# KiCad board mixed_signal_board.kicad_pcb
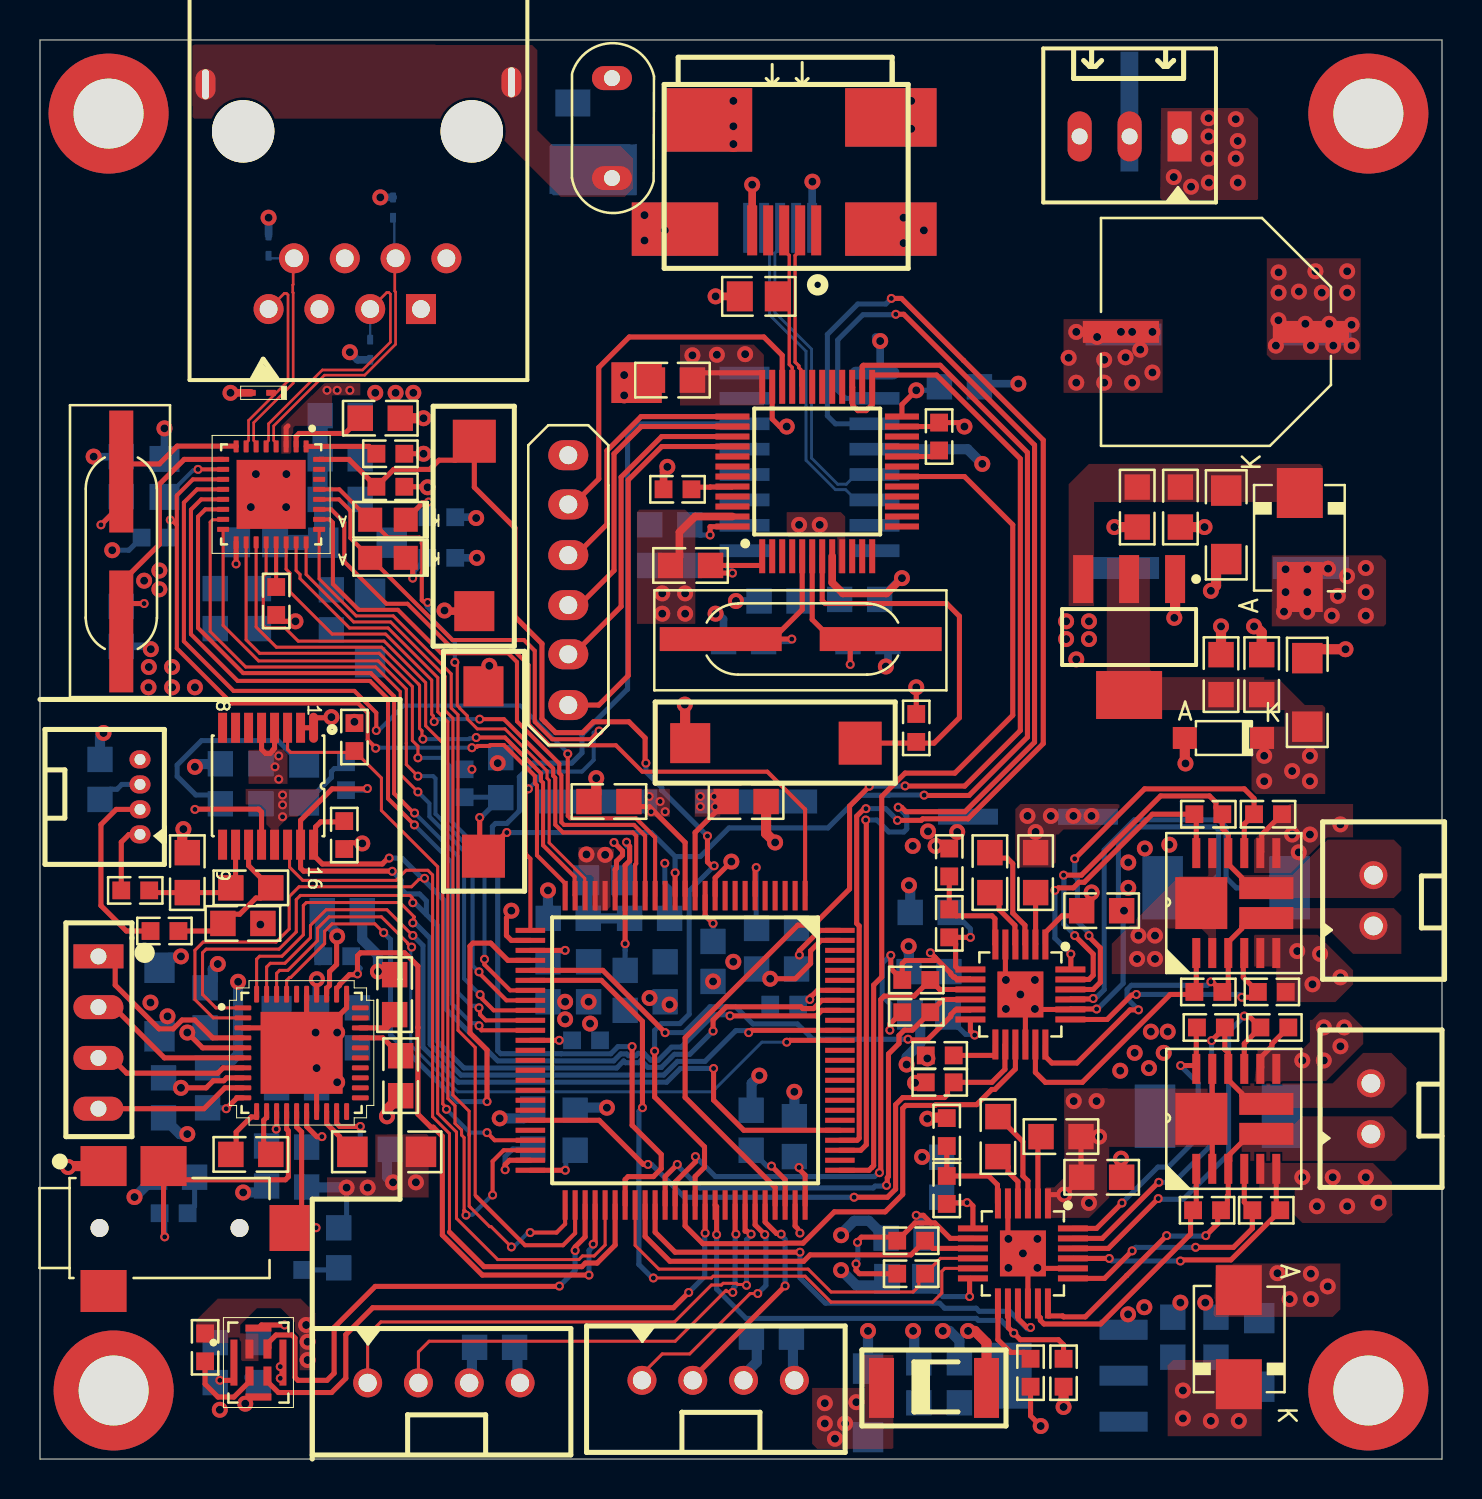
[diagram p0: board, top side]
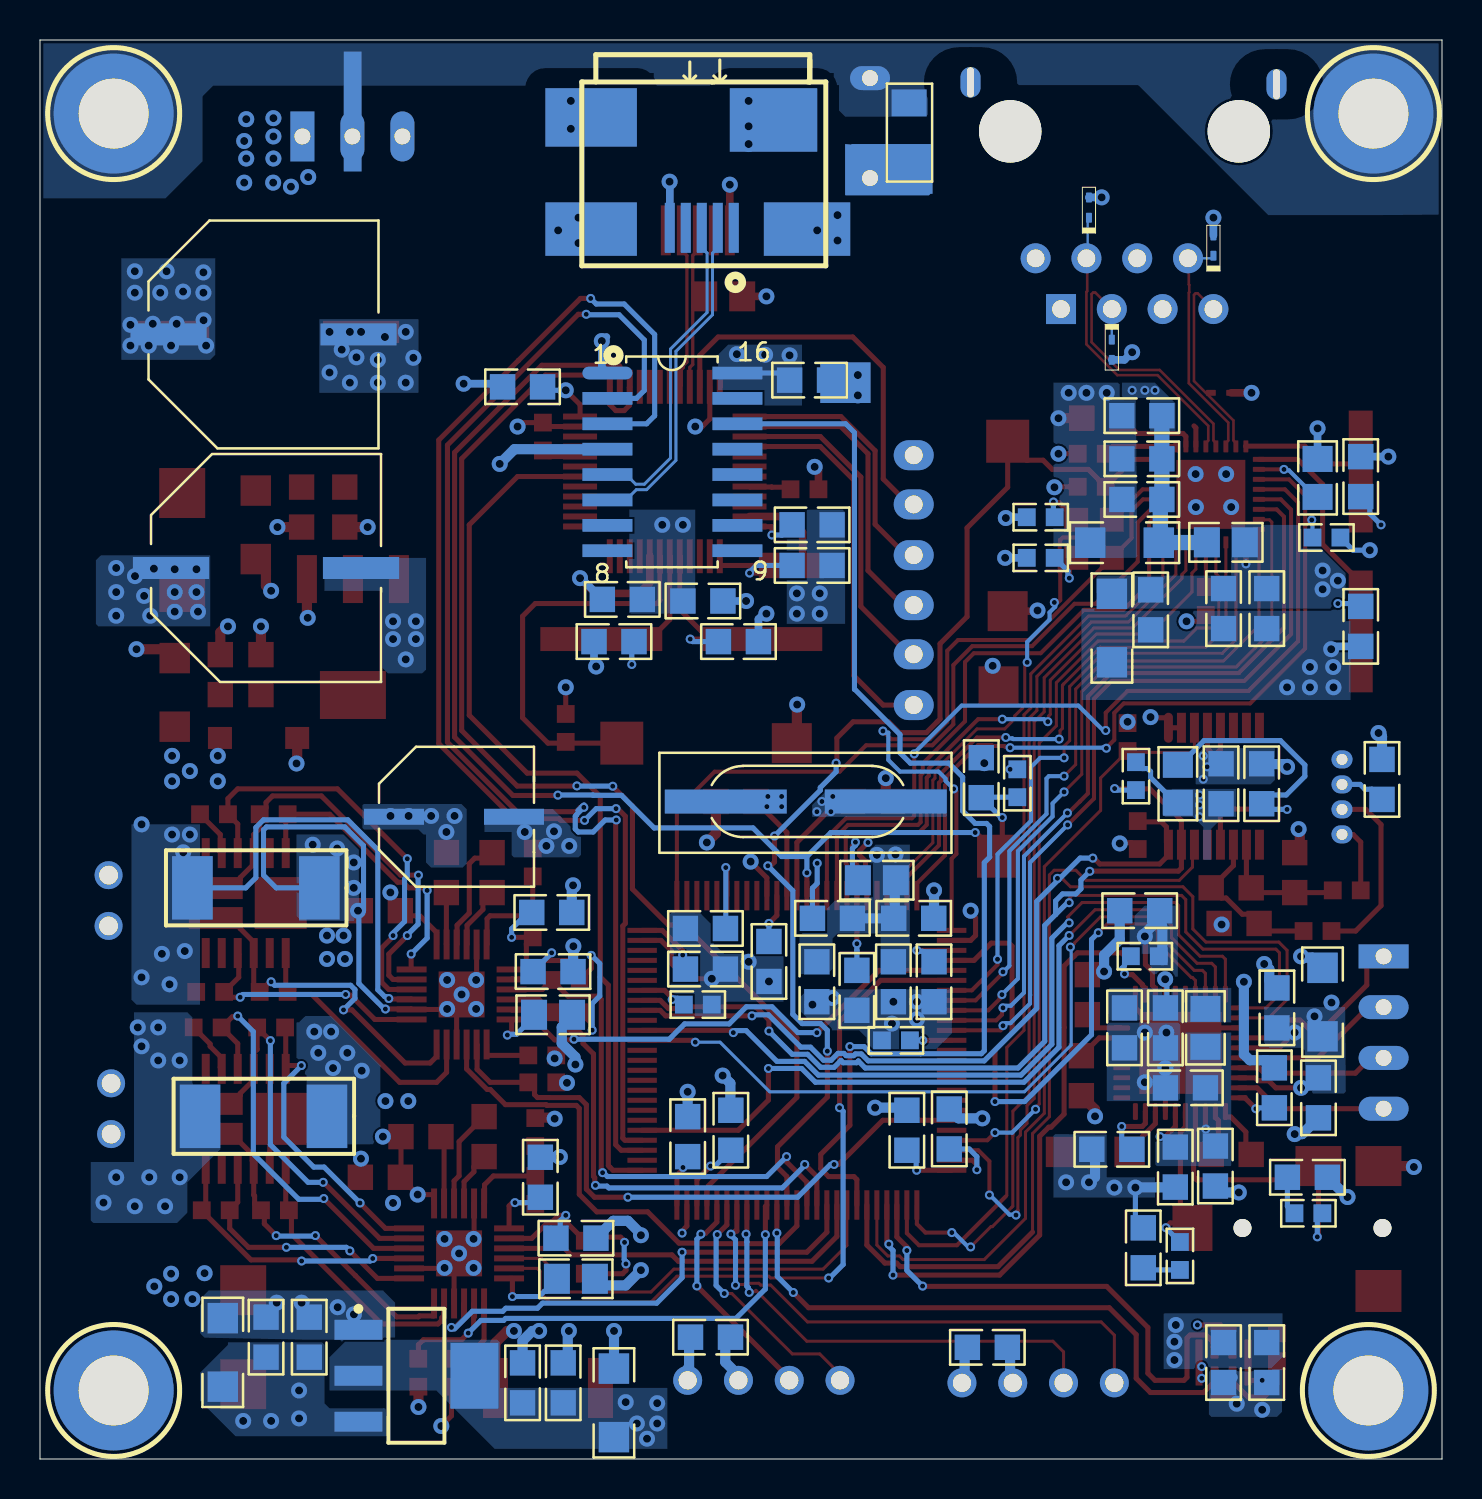
[diagram p1: board, bottom side, seen from below]

Outline 70.1 x 70.99 mm; copper layers: Top Layer, GND (plane), VCC (plane), Bottom Layer. Coordinates in mm from the lower left corner of the outline.
Outline path: 0,70.99 70.1,70.99 70.1,0 0,0 0,70.99

## Placement (name value [footprint] x y rotation side)
C1  4.7uF  [CAP_0805]  31.5 46.74 0 bottom
C2  0.1uF  [CAP_0805]  31.5 44.7 0 bottom
C3  0.1uF  [CAP_0805]  32.53 44.7 0 top
C4  0.1uF  [CAP_0805]  31.62 53.98 0 top
C5  30pF  [CAP_0805]  35.18 40.89 0 bottom
C6  30pF  [CAP_0805]  41.4 40.89 180 bottom
C7  1uF  [CAP_0805]  36.96 42.93 0 bottom
C8  10nF  [CAP_0805]  40.99 43.01 180 bottom
C9  0.1uF  [CAP_0805]  45.97 53.64 180 bottom
C10  2nF  [CAP_0805]  17.01 52.07 180 top
C11  10uF  [CAP_1206]  15.88 45.85 180 bottom
C12  1uF  [CAP_0805]  15.01 48.01 180 bottom
C13  0.1uF  [CAP_0805]  15.01 50.04 180 bottom
C14  10nF  [CAP_0805]  15.01 52.2 180 bottom
C15  20pF  [CAP_0805]  4.06 49.15 270 bottom
C16  10nF  [CAP_0805]  8.76 42.55 90 bottom
C17  0.1uF  [CAP_0805]  10.92 42.55 90 bottom
C18  1uF  [CAP_0805]  14.57 42.48 90 bottom
C19  10uF  [CAP_1206]  16.51 41.57 90 bottom
C20  20pF  [CAP_0805]  4.06 41.66 90 bottom
C21  10nF  [CAP_P196_102X287_H332_RAD_TH]  28.6 69.08 270 top
C22  0.1uF  [CAP_0805]  47.5 29.34 270 top
C23  1uF  [CAP_0805]  49.78 29.34 90 top
C24  100uF  [ACAP_P236_D305_H303_RAD]  49.4 32.13 180 bottom
C25  0.1uF  [CAP_0805]  53.09 27.43 180 top
C26  1uF  [CAP_0805]  44.51 27.34 0 bottom
C27  1uF  [CAP_0805]  44.45 24.38 0 bottom
C28  0.1uF  [CAP_0805]  31.62 53.98 0 bottom
C29  0.1uF  [CAP_0805]  11.05 33.78 270 bottom
C30  0.1uF  [CAP_0805]  9.02 33.78 270 bottom
C31  0.1uF  [CAP_0805]  3 34 270 bottom
C32  0.1uF  [CAP_0805]  10.54 28.58 0 top
C33  10nF  [CAP_0805]  7.37 29.34 270 top
C34  10nF  [CAP_0805]  10.15 26.79 180 top
C35  22nF  [CAP_0805]  14.94 10.57 90 bottom
C36  0.1uF  [CAP_0805]  12.83 18.57 180 bottom
C37  1uF  [CAP_0805]  13.83 21.57 90 bottom
C38  0.1uF  [CAP_0805]  15.88 21.57 90 bottom
C39  22nF  [CAP_0805]  6.73 14.1 180 bottom
C40  0.1uF  [CAP_0805]  13.33 14.61 90 bottom
C41  1uF  [CAP_0805]  11.33 14.66 90 bottom
C42  1uF  [CAP_0805]  10.54 15.24 0 top
C43  1uF  [CAP_0805]  8.38 18.57 270 bottom
C44  0.1uF  [CAP_0805]  6.18 18.07 90 bottom
C45  10uF  [CAP_1206]  5.97 22.86 270 bottom
C46  0.1uF  [CAP_0805]  8.25 22.57 270 bottom
C47  0.1uF  [CAP_0805]  15.11 27.43 180 bottom
C48  150pF  [CAP_0805]  18.03 19.18 270 top
C49  150pF  [CAP_0805]  17.73 23.23 90 top
C50  10uF  [CAP_1206]  17.34 15.37 0 top
C51  1uF  [CAP_0805]  16.51 15.49 0 bottom
C52  1uF  [CAP_0805]  8.76 4.83 90 bottom
C53  0.1uF  [CAP_0805]  10.92 4.83 90 bottom
C54  0.1uF  [CAP_0805]  22.73 5.59 180 bottom
C55  0.1uF  [CAP_0805]  36.58 6.1 180 bottom
C56  30pF  [CAP_0805]  35.31 32.89 0 top
C57  0.1uF  [CAP_0805]  23.04 34.09 270 bottom
C58  30pF  [CAP_0805]  28.45 32.89 180 top
C59  4.7uF  [CAP_0805]  36.83 24.51 0 bottom
C60  0.1uF  [CAP_0805]  37.72 16.13 270 bottom
C61  0.1uF  [CAP_0805]  26.76 16.45 270 bottom
C62  0.1uF  [CAP_0805]  25.4 23.88 90 bottom
C63  0.1uF  [CAP_0805]  29.26 23.45 90 bottom
C64  0.1uF  [CAP_0805]  33.66 24.89 90 bottom
C65  2.2uF  [CAP_0805]  35.56 16.45 270 bottom
C66  2.2uF  [CAP_0805]  24.64 16.51 270 bottom
C67  1uF  [CAP_0805]  26.42 27.05 0 bottom
C68  1uF  [CAP_0805]  30.48 27.05 180 bottom
C69  0.1uF  [CAP_0805]  27.43 23.88 90 bottom
C70  0.1uF  [CAP_0805]  31.26 23.88 90 bottom
C71  0.1uF  [CAP_0805]  36.83 26.54 180 bottom
C72  0.1uF  [CAP_0805]  47.9 16.13 270 top
C73  1uF  [CAP_0805]  51.05 16.13 0 top
C75  0.1uF  [CAP_0805]  53.09 14.1 180 top
C76  1uF  [CAP_0805]  45.09 14.1 270 bottom
C77  1uF  [CAP_0805]  43.31 11.05 0 bottom
C78  0.1uF  [CAP_0805]  59.06 39.24 270 top
C79  1uF  [CAP_0805]  61.09 39.24 270 top
C80  100uF  [ACAP_P305_D393_H393_RAD]  58.8 56.39 180 top
C81  100uF  [ACAP_P305_D393_H393_RAD]  58.93 56.26 180 bottom
C82  100uF  [ACAP_P305_D393_H393_RAD]  58.8 44.58 180 bottom
C83  10uF  [CAP_1206]  63.37 38.35 270 top
C84  10uF  [CAP_1206]  59.31 46.74 90 top
C85  1uF  [CAP_0805]  57.02 47.62 90 top
C86  0.1uF  [CAP_0805]  54.86 47.62 90 top
C87  0.1uF  [CAP_0805]  45.97 3.81 270 bottom
C88  1uF  [CAP_0805]  43.94 3.81 270 bottom
C89  10uF  [CAP_1206]  41.4 2.81 270 bottom
C90  10uF  [CAP_1206]  60.96 5.33 270 bottom
C91  1uF  [CAP_0805]  58.8 6.1 270 bottom
C92  0.1uF  [CAP_0805]  56.64 6.1 270 bottom
D1  ESD3V3D9-TP  [DIO_SOD-923]  11.05 53.34 180 top
D2  ESD3V3D9-TP  [DIO_SOD-923]  11.43 60.71 90 bottom
D3  ESD3V3D9-TP  [DIO_SOD-923]  16.51 55.5 270 bottom
D4  ESD3V3D9-TP  [DIO_SOD-923]  17.65 62.61 90 bottom
D5  MBRS130LT3G  [DIO_SMB_DO-214AA]  62.99 45.97 90 top
D6  BZT52C3V3-7-F  [DIO_SOD-123]  59.18 36.07 0 top
D7  MBRS130LT3G  [DIO_SMB_DO-214AA]  59.94 6.1 270 top
D8  1.8V Zener  [DIO_DO-213AB_SMD]  44.7 3.56 0 top
DS1  RED LED  [LED_0805]  17.4 45.09 180 top
DS2  RED LED  [LED_0805]  17.4 46.99 180 top
FB1  1K  [IND_0805]  10.81 45.86 180 bottom
FB2  1K  [IND_0805]  13.21 33.78 270 bottom
FB3  1K  [IND_0805]  11.83 21.57 90 bottom
FB4  1K  [IND_0805]  28.26 28.96 0 bottom
J1  USB2.0 MINI B  [CON_690-005-299-043]  32.81 61.47 270 top
J2  Bergstrip 2.54mm  [CON6_100_59D78_TH_ST]  26.42 37.72 90 top
J3  RJ45 LAN  [CON10_P106_RJ45_TH_ST]  21.57 66.48 180 top
J4  B2B-XH-A(LF)(SN)  [CON2_100_B2B-XH-A_TH_ST]  66.68 26.67 90 top
J5  USB2.0 MINI B  [CON_690-005-299-043]  41.41 61.59 270 bottom
J6  1.25MM Spade 4PIN  [CON4_50_653004117322_TH_RA]  5 35 90 top
J7  4X1 STEREO  [CON_SJ-2504A-SMT-TR_SMD]  6.48 11.56 0 top
J8  B4B-XH-A(LF)(SN)  [CON4_100_B4B-XH-A_TH_ST]  16.38 3.81 0 top
J9  B4B-XH-A(LF)(SN)  [CON4_100_B4B-XH-A_TH_ST]  30.1 3.94 0 top
J10  B2B-XH-A(LF)(SN)  [CON2_100_B2B-XH-A_TH_ST]  66.55 16.26 90 top
J11  Terminal Block 2.5mm  [CON3_100_TB_TH_ST]  54.48 66.17 270 top
J12  4X1 BERG STRIP  [CON4_100_40D72_TH_ST_MALE]  2.92 25.15 0 top
MH1  Mounting Hole  [MOUNTING]  3.43 67.31 180 bottom
MH2  Mounting Hole  [MOUNTING]  3.68 3.43 180 bottom
MH3  Mounting Hole  [MOUNTING]  66.42 3.43 180 bottom
MH4  Mounting Hole  [MOUNTING]  66.42 67.31 180 bottom
Q1  DMHT6016LFJ-13  [DFN5045-12_33_212_27X15_SMD_1]  59.82 27.81 0 top
Q2  DMHT6016LFJ-13  [DFN5045-12_33_212_27X15_SMD_1]  59.82 17.02 0 top
R1  100K  [RES_0603]  31.88 48.51 0 top
R2  10K  [RES_0603]  43.81 36.58 90 top
R3  1.5K  [RES_0805]  35.94 58.17 0 top
R4  100K  [RES_0603]  44.96 51.15 270 top
R5  10K  [RES_0603]  17.52 48.64 0 top
R6  3K3  [RES_0603]  20.07 45.09 180 bottom
R7  3K3  [RES_0603]  20.07 47.12 180 bottom
R8  10K  [RES_0603]  11.81 42.93 270 top
R9  10K  [RES_0603]  17.52 50.29 0 top
R10  10K  [RES_0603]  5.78 46.1 0 bottom
R11  6.49K  [RES_0805]  6.22 49.08 90 bottom
R12  1M  [RES_1206]  26.64 66.34 90 bottom
R13  2K  [RES_0603]  45.47 26.8 270 top
R14  3K3  [RES_0603]  45.47 29.84 270 top
R15  10K  [RES_0603]  58.42 23.37 0 top
R16  10K  [RES_0603]  58.42 32.26 180 top
R17  10K  [RES_0603]  61.59 23.37 0 top
R18  10K  [RES_0603]  61.4 32.26 0 top
R19  50mOHM  [RES_2512]  59.31 28.58 0 bottom
R20  33K  [RES_0805]  44.45 22.23 180 bottom
R21  10K  [RES_0603]  44.99 20.19 0 top
R22  10K  [RES_0603]  44.99 18.84 0 top
R23  10K  [RES_0603]  43.81 22.35 180 top
R24  10K  [RES_0603]  43.81 23.97 180 top
R25  10K  [RES_0603]  15.21 31.22 270 top
R26  10K  [RES_0603]  15.3 34.16 90 bottom
R27  100K  [RES_0603]  15.72 36.12 90 top
R28  1K  [RES_0603]  6.22 26.42 180 top
R29  1K  [RES_0603]  4.76 28.45 180 top
R30  51.1R  [RES_0603]  6.68 12.29 0 bottom
R31  51.1R  [RES_0603]  13.11 10.16 270 bottom
R32  10K  [RES_0603]  14.86 25.15 180 bottom
R33  10K  [RES_0603]  8.25 5.59 90 top
R34  100K  [RES_0603]  27.31 20.95 180 bottom
R35  10K  [RES_0603]  21.23 33.81 90 bottom
R36  100K  [RES_0603]  37.21 22.73 180 bottom
R37  2K  [RES_0603]  45.34 13.46 270 top
R38  3K3  [RES_0603]  45.34 16.36 270 top
R39  10K  [RES_0603]  58.36 12.45 0 top
R40  10K  [RES_0603]  58.55 21.59 180 top
R41  10K  [RES_0603]  61.32 12.45 0 top
R42  10K  [RES_0603]  61.72 21.59 0 top
R43  50mOHM  [RES_2512]  58.93 17.15 0 bottom
R44  33K  [RES_0805]  43.31 9.02 180 bottom
R45  10K  [RES_0603]  49.53 4.32 90 top
R46  10K  [RES_0603]  43.56 9.27 180 top
R47  10K  [RES_0603]  43.56 10.92 180 top
R48  10K  [RES_0603]  51.18 4.32 90 top
SW1  TACTILE SWITCH  [SW_342_SMD]  32.51 35.81 180 top
SW2  TACTILE SWITCH  [SW_342_SMD]  21.72 42.42 270 top
SW3  TACTILE SWITCH  [SW_342_SMD]  22.17 38.66 90 top
U1  STM32F103C8T6  [LQFP-48_19.6_393_58X11_SMD]  38.86 49.4 90 top
U2  DP83826IRHBR  [VQFN32_19_218_23X9_SMD]  11.56 48.26 270 top
U3  DRV8701ERGET  [VFQFN24_19.6_196_12X32_SMD_1]  47.02 24.49 270 top
U4  CH340C  [SOIC16_50_284_25X90_SMT]  38.48 49.91 180 bottom
U5  ADS122C04IPW  [TSSOP16_25-59_294_54X14_SMT]  11.41 33.68 270 top
U6  CS43L22-CNZ  [QFN40_19_284_33X9_SMD]  13.08 20.32 0 top
U7  IMP34DT05TR  [HCLGA-4_53_137_15X37_SMD]  10.92 4.83 0 top
U8  STM32F407VGT6  [QFN100_19.6_669_58X10_SMD]  32.13 20.45 270 top
U9  DRV8701ERGET  [VFQFN24_19.6_196_12X32_SMD_1]  47.15 11.54 270 top
U10  LD1117S33CTR  [SOT223_3]  54.48 41.15 270 top
U11  LD1117S18TR  [SOT223_3]  51.31 4.19 180 bottom
X1  8Mhz  [XTAL_314_240X47_SMD]  42.04 41.02 180 top
X2  8Mhz  [XTAL_314_240X47_SMD]  27.81 32.89 0 bottom
Y1  25Mhz -14mm  [XTAL_314_240X47_SMD]  4.06 41.4 90 top

## Footprints (pads in the part's own frame, mm; a bottom-side part is the same pattern mirrored in y, then rotated)
ACAP_P236_D305_H303_RAD
  rect 3x0.8 smd: 1(-3,0) 2(3,0)
ACAP_P305_D393_H393_RAD
  rect 3.81x1.1 smd: 1(-4.75,0) 2(4.75,0)
CAP_0805
  rect 1.27x1.27 smd: 1(-1,0) 2(1,0)
CAP_1206
  rect 1.524x1.524 smd: 1(-1.714,-0.005) 2(1.715,-0.005)
CAP_P196_102X287_H332_RAD_TH
  oval 1.2x2 hole 0.8: 1(0,0) 2(5,0)
CON2_100_B2B-XH-A_TH_ST
  round 1.4 hole 0.94: 1(0,0) 2(2.54,0)
CON3_100_TB_TH_ST
  rect 2.5x1.2 hole 0.8: 1(0,2.5)
  oval 2.5x1.2 hole 0.8: 2(0,0) 3(0,-2.5)
CON4_50_653004117322_TH_RA
  oval 0.9x1.05 hole 0.55: 1(-3.75,0) 2(-2.5,0) 3(-1.25,0) 4(0,0)
CON4_100_40D72_TH_ST_MALE
  rect 2.5x1.2 hole 0.8: 1(0,0)
  oval 2.5x1.2 hole 0.8: 2(0,-2.54) 3(0,-5.08) 4(0,-7.62)
CON4_100_B4B-XH-A_TH_ST
  round 1.45 hole 0.91: 1(0,0) 2(2.54,0) 3(5.08,0) 4(7.62,0)
CON6_100_59D78_TH_ST
  oval 1.5x2 hole 0.9: 1(0,0) 2(2.54,0) 3(5,0) 4(7.5,0) 5(10.04,0) 6(12.5,0)
CON10_P106_RJ45_TH_ST
  round 3.12 hole 3.12 unplated: (-0.015,0.055) (11.415,0.055)
  round 1.5 hole 0.89: 1(10.145,8.945) 2(8.875,6.405) 3(7.605,8.945) 4(6.335,6.405) 5(5.065,8.945) 6(3.795,6.405) 8(1.255,6.405)
  rect 1.5x1.5 hole 0.89: 7(2.525,8.945)
  oval 1x1.524 hole 0.35x1.5: 9(13.3,-2.3) 10(-2,-2.4)
CON_690-005-299-043
  rect 2.5x0.5 smd: 1(0,6) 2(0,5.2) 3(0,4.4) 4(0,3.6) 5(0,2.8)
  rect 2.5x2 smd: 6(-5.5,9) 6(-5.5,0) 6(0,8.9) 6(0,0)
CON_SJ-2504A-SMT-TR_SMD
  round 0.9 hole 0.9 unplated: (-3.5,0) (3.5,0)
  rect 2.3x2 smd: 1(-3.3,3.1) 3(-0.3,3.1)
  rect 2x2.3 smd: 2(6,0)
  rect 2.3x2.1 smd: 4(-3.3,-3.15)
DFN5045-12_33_212_27X15_SMD_1
  rect 0.4x1.5 smd: 1(-2,-2.5) 2(-1.2,-2.5) 3(-0.4,-2.5) 4(0.4,-2.5) 5(1.2,-2.5) 6(2,-2.5) 7(2,2.5) 8(1.2,2.5) 9(0.4,2.5) 10(-0.4,2.5) 11(-1.2,2.5) 12(-2,2.5)
  rect 2.7x1.1 smd: 13(1.5,-0.75) 14(1.5,0.75)
  rect 2.6x2.6 smd: 15(-1.75,0)
DIO_DO-213AB_SMD
  rect 1.25x3 smd: A(2.625,0) K(-2.625,0)
DIO_SMB_DO-214AA
  rect 2.5x2.3 smd: A(-2.35,0) K(2.354,0)
DIO_SOD-123
  rect 1.2x1.1 smd: A(-1.937,0.006) K(1.923,0.006)
DIO_SOD-923
  rrect 0.49x0.3 smd: A(0.505,0) K(-0.505,0)
HCLGA-4_53_137_15X37_SMD
  rect 0.4x0.95 smd: 1(-0.45,0.675) 2(-0.45,-0.675) 3(0.45,-0.675) 4(0.45,0.675)
  rect 0.35x2.3 smd: 5(-1.225,0) 5(1.225,0)
  rect 1.3x0.35 smd: 5(0,1.725) 5(0,-1.725)
IND_0805
  rect 1.3x1.5 smd: 1(0.95,0) 2(-0.95,0)
LED_0805
  rect 1.2x1.2 smd: A(0.889,0) K(-0.889,0)
LQFP-48_19.6_393_58X11_SMD
  rect 1.7x0.3 smd: 1(-4.238,2.75) 2(-4.238,2.25) 3(-4.238,1.75) 4(-4.238,1.25) 5(-4.238,0.75) 6(-4.238,0.25) 7(-4.238,-0.25) 8(-4.238,-0.75) 9(-4.238,-1.25) 10(-4.238,-1.75) 11(-4.238,-2.25) 12(-4.238,-2.75) 25(4.238,-2.75) 26(4.238,-2.25) 27(4.238,-1.75) 28(4.238,-1.25) 29(4.238,-0.75) 30(4.238,-0.25) 31(4.238,0.25) 32(4.238,0.75) 33(4.238,1.25) 34(4.238,1.75) 35(4.238,2.25) 36(4.238,2.75)
  rect 0.3x1.7 smd: 13(-2.75,-4.238) 14(-2.25,-4.238) 15(-1.75,-4.238) 16(-1.25,-4.238) 17(-0.75,-4.238) 18(-0.25,-4.238) 19(0.25,-4.238) 20(0.75,-4.238) 21(1.25,-4.238) 22(1.75,-4.238) 23(2.25,-4.238) 24(2.75,-4.238) 37(2.75,4.238) 38(2.25,4.238) 39(1.75,4.238) 40(1.25,4.238) 41(0.75,4.238) 42(0.25,4.238) 43(-0.25,4.238) 44(-0.75,4.238) 45(-1.25,4.238) 46(-1.75,4.238) 47(-2.25,4.238) 48(-2.75,4.238)
MOUNTING
  round 6 hole 3.5: 1(0,0)
QFN40_19_284_33X9_SMD
  rrect 0.84x0.25 smd: 1(-2.935,2.25) 2(-2.935,1.75) 3(-2.935,1.25) 4(-2.935,0.75) 5(-2.935,0.25) 6(-2.935,-0.25) 7(-2.935,-0.75) 8(-2.935,-1.25) 9(-2.935,-1.75) 10(-2.935,-2.25) 21(2.935,-2.25) 22(2.935,-1.75) 23(2.935,-1.25) 24(2.935,-0.75) 25(2.935,-0.25) 26(2.935,0.25) 27(2.935,0.75) 28(2.935,1.25) 29(2.935,1.75) 30(2.935,2.25)
  rrect 0.25x0.84 smd: 11(-2.25,-2.935) 12(-1.75,-2.935) 13(-1.25,-2.935) 14(-0.75,-2.935) 15(-0.25,-2.935) 16(0.25,-2.935) 17(0.75,-2.935) 18(1.25,-2.935) 19(1.75,-2.935) 20(2.25,-2.935) 31(2.25,2.935) 32(1.75,2.935) 33(1.25,2.935) 34(0.75,2.935) 35(0.25,2.935) 36(-0.25,2.935) 37(-0.75,2.935) 38(-1.25,2.935) 39(-1.75,2.935) 40(-2.25,2.935)
  rect 4.1x4.1 smd: 41(0,0)
QFN100_19.6_669_58X10_SMD
  rect 1.475x0.254 smd: 1(-7.738,6.127) 2(-7.738,5.627) 3(-7.738,5.127) 4(-7.738,4.627) 5(-7.738,4.127) 6(-7.738,3.627) 7(-7.738,3.127) 8(-7.738,2.627) 9(-7.738,2.127) 10(-7.738,1.627) 11(-7.738,1.127) 12(-7.738,0.627) 13(-7.738,0.127) 14(-7.738,-0.373) 15(-7.738,-0.873) 16(-7.738,-1.373) 17(-7.738,-1.873) 18(-7.738,-2.373) 19(-7.738,-2.873) 20(-7.738,-3.373) 21(-7.738,-3.873) 22(-7.738,-4.373) 23(-7.738,-4.873) 24(-7.738,-5.373) 25(-7.738,-5.873) 51(7.738,-5.873) 52(7.738,-5.373) 53(7.738,-4.873) 54(7.738,-4.373) 55(7.738,-3.873) 56(7.738,-3.373) 57(7.738,-2.873) 58(7.738,-2.373) 59(7.738,-1.873) 60(7.738,-1.373) 61(7.738,-0.873) 62(7.738,-0.373) 63(7.738,0.127) 64(7.738,0.627) 65(7.738,1.127) 66(7.738,1.627) 67(7.738,2.127) 68(7.738,2.627) 69(7.738,3.127) 70(7.738,3.627) 71(7.738,4.127) 72(7.738,4.627) 73(7.738,5.127) 74(7.738,5.627) 75(7.738,6.127)
  rect 0.254x1.475 smd: 26(-6,-7.611) 27(-5.5,-7.611) 28(-5,-7.611) 29(-4.5,-7.611) 30(-4,-7.611) 31(-3.5,-7.611) 32(-3,-7.611) 33(-2.5,-7.611) 34(-2,-7.611) 35(-1.5,-7.611) 36(-1,-7.611) 37(-0.5,-7.611) 38(0,-7.611) 39(0.5,-7.611) 40(1,-7.611) 41(1.5,-7.611) 42(2,-7.611) 43(2.5,-7.611) 44(3,-7.611) 45(3.5,-7.611) 46(4,-7.611) 47(4.5,-7.611) 48(5,-7.611) 49(5.5,-7.611) 50(6,-7.611) 76(6,7.865) 77(5.5,7.865) 78(5,7.865) 79(4.5,7.865) 80(4,7.865) 81(3.5,7.865) 82(3,7.865) 83(2.5,7.865) 84(2,7.865) 85(1.5,7.865) 86(1,7.865) 87(0.5,7.865) 88(0,7.865) 89(-0.5,7.865) 90(-1,7.865) 91(-1.5,7.865) 92(-2,7.865) 93(-2.5,7.865) 94(-3,7.865) 95(-3.5,7.865) 96(-4,7.865) 97(-4.5,7.865) 98(-5,7.865) 99(-5.5,7.865) 100(-6,7.865)
RES_0603
  rect 0.889x0.889 smd: 1(-0.698,0) 2(0.699,0)
RES_0805
  rect 1.3x1.5 smd: 1(0.95,0) 2(-0.95,0)
RES_1206
  rect 1.35x1.75 smd: 1(1.5,0) 2(-1.5,0)
RES_2512
  rect 2.032x3.175 smd: 1(-3.175,0) 2(3.175,0)
SOIC16_50_284_25X90_SMT
  oval 2.5x0.635 smd: 1(-3.25,4.42)
  rect 2.5x0.635 smd: 2(-3.25,3.15) 3(-3.25,1.88) 4(-3.25,0.61) 5(-3.25,-0.66) 6(-3.25,-1.93) 7(-3.25,-3.2) 8(-3.25,-4.47) 9(3.25,-4.47) 10(3.25,-3.2) 11(3.25,-1.93) 12(3.25,-0.66) 13(3.25,0.61) 14(3.25,1.88) 15(3.25,3.15) 16(3.25,4.42)
SOT223_3
  rect 2.4x1 smd: 1(-2.875,2.275) 2(-2.875,-0.025) 3(-2.875,-2.325)
  rect 2.4x3.3 smd: 4(2.925,-0.025)
SW_342_SMD
  rect 2x2 smd: 1(0,0)
  rect 2.15x2.15 smd: 2(-8.5,0)
TSSOP16_25-59_294_54X14_SMT
  oval 1.5x0.45 smd: 1(-2.908,2.273)
  rect 1.5x0.45 smd: 2(-2.908,1.623) 3(-2.908,0.973) 4(-2.908,0.323) 5(-2.908,-0.327) 6(-2.908,-0.977) 7(-2.908,-1.627) 8(-2.908,-2.277) 9(2.942,-2.277) 10(2.942,-1.627) 11(2.942,-0.977) 12(2.942,-0.327) 13(2.942,0.323) 14(2.942,0.973) 15(2.942,1.623) 16(2.942,2.273)
VFQFN24_19.6_196_12X32_SMD_1
  rect 1.5x0.3 smd: 1(-1.25,3.25) 2(-1.25,2.75) 3(-1.25,2.25) 4(-1.25,1.75) 5(-1.25,1.25) 6(-1.25,0.75) 13(3.75,0.75) 14(3.754,1.25) 15(3.754,1.75) 16(3.754,2.25) 17(3.754,2.75) 18(3.754,3.25)
  rect 0.3x1.5 smd: 7(0,-0.5) 8(0.5,-0.5) 9(1,-0.5) 10(1.5,-0.5) 11(2,-0.5) 12(2.5,-0.5) 19(2.5,4.5) 20(2,4.5) 21(1.5,4.5) 22(1,4.5) 23(0.5,4.5) 24(0,4.5)
  rect 2.3x2.3 smd: 25(1.25,2)
VQFN32_19_218_23X9_SMD
  rrect 0.6x0.25 smd: 1(-2.4,1.75) 2(-2.4,1.25) 3(-2.4,0.75) 4(-2.4,0.25) 5(-2.4,-0.25) 6(-2.4,-0.75) 7(-2.4,-1.25) 8(-2.4,-1.75) 17(2.4,-1.75) 18(2.4,-1.25) 19(2.4,-0.75) 20(2.4,-0.25) 21(2.4,0.25) 22(2.4,0.75) 23(2.4,1.25) 24(2.4,1.75)
  rrect 0.25x0.6 smd: 9(-1.75,-2.4) 10(-1.25,-2.4) 11(-0.75,-2.4) 12(-0.25,-2.4) 13(0.25,-2.4) 14(0.75,-2.4) 15(1.25,-2.4) 16(1.75,-2.4) 25(1.75,2.4) 26(1.25,2.4) 27(0.75,2.4) 28(0.25,2.4) 29(-0.25,2.4) 30(-0.75,2.4) 31(-1.25,2.4) 32(-1.75,2.4)
  rect 3.45x3.45 smd: 33(0,0)
XTAL_314_240X47_SMD
  rect 6.096x1.2 smd: 1(0,0) 2(8,0)

## Nets
+1V8: C37.2 C38.2 C87.2 C88.2 C89.2 D8.K FB3.1 U6.34 U11.2 U11.4
+3V3: C1.2 C2.2 C3.2 C4.2 C7.2 C8.2 C9.2 C16.2 C17.2 C18.2 C19.2 C28.2 C29.2 C31.2 C44.2 C45.2 C46.2 C47.2 C52.2 C53.2 C54.2 C55.2 C59.2 C60.2 C61.2 C62.2 C63.2 C64.2 C71.2 C78.2 C79.2 C83.2 D6.K FB1.1 FB2.1 FB4.1 J6.3 J8.3 J9.3 R2.2 R3.2 R5.2 R8.2 R9.2 R10.1 R21.1 R25.2 R26.2 R27.2 R32.2 R33.2 R35.2 R45.1 U1.1 U1.9 U1.24 U1.36 U1.48 U2.17 U4.4 U4.16 U5.13 U6.5 U6.8 U6.33 U7.1 U8.6 U8.11 U8.19 U8.28 U8.50 U8.75 U8.100 U10.2 U10.4
+12V: C23.2 C24.1 C25.2 C73.2 C75.2 C80.1 C81.1 C82.1 D5.A D7.A J11.1 Q1.2 Q1.11 Q1.15 Q2.2 Q2.11 Q2.15 U3.1 U9.1
DVDD: C27.2 R23.2 R24.2 U3.8
DVDD_2: C77.2 R46.2 R47.2 U9.8
GND: C1.1 C2.1 C3.1 C4.1 C5.1 C6.1 C7.1 C8.1 C9.1 C10.1 C11.1 C12.1 C13.1 C14.1 C15.1 C16.1 C17.1 C18.1 C19.1 C20.1 C24.2 C25.1 C26.1 C27.1 C28.1 C29.1 C30.1 C31.1 C33.1 C34.1 C35.2 C36.1 C37.1 C38.1 C39.2 C40.1 C41.1 C43.1 C44.1 C45.1 C46.1 C47.1 C48.2 C49.2 C50.2 C51.2 C52.1 C53.1 C54.1 C55.1 C56.2 C57.1 C58.2 C59.1 C60.1 C61.1 C62.1 C63.1 C64.1 C65.1 C66.1 C67.1 C68.1 C69.1 C70.1 C71.1 C75.1 C76.1 C77.1 C78.1 C79.1 C80.2 C81.2 C82.2 C83.1 C84.1 C85.1 C86.1 C87.1 C88.1 C89.1 C90.1 C91.1 C92.1 D1.A D2.A D3.A D4.A D6.A D8.A J1.5 J1.6 J2.6 J5.5 J5.6 J6.4 J7.1 J8.4 J9.4 J11.3 R1.1 R4.1 R6.1 R7.1 R11.1 R14.1 R19.1 R20.1 R22.1 R34.1 R36.2 R38.1 R43.1 R44.1 R48.1 SW1.1 SW2.1 SW3.1 U1.8 U1.23 U1.35 U1.47 U2.33 U3.5 U3.16 U3.20 U3.25 U4.1 U5.1 U5.2 U5.4 U5.5 U6.3 U6.17 U6.31 U6.35 U6.41 U7.5 U8.10 U8.20 U8.27 U8.74 U8.99 U9.5 U9.16 U9.20 U9.25 U10.1 U11.1
AIN0: J6.2 R28.2
AIN1: J6.1 R29.2
CAN_RX: J9.1 U8.70
CAN_TX: J9.2 U8.71
CH340_RST: U4.14 U8.57
CH340_RXD: U4.3 U8.79
CH340_TXDPort: U4.2 U8.78
CH340USB_D_N: J5.2 U4.6
CH340USB_D_P: J5.3 U4.5
CLK_MIC: U7.3 U8.65
COL: DS1.A U2.28 U8.26
CRS: DS2.A U2.29 U8.23
DOUT_MIC: U7.4 U8.53
DRDY: U5.14 U8.56
EARTH: C21.1 J11.2 MH1.1 MH4.1 R12.1
EN: R22.2 U3.14 U8.45
EN_2: R48.2 U8.66 U9.14
EXT_UART_RX: J8.1 U8.69
EXT_UART_TX: J8.2 U8.68
GH1: Q1.1 R15.1 U3.17
GH1_2: Q2.1 R39.1 U9.17
GH2: Q1.12 R16.2 U3.24
GH2_2: Q2.12 R40.2 U9.24
GL1: Q1.4 R17.1 U3.19
GL1_2: Q2.4 R41.1 U9.19
GL2: Q1.9 R18.1 U3.22
GL2_2: Q2.9 R42.1 U9.22
INT: R8.1 U2.21
JTCK/SWCLK_F103: J2.4 U1.37
JTCLK_F407: U1.18 U8.76
JTDI_F103: J2.3 U1.38
JTDO_F103: J2.2 U1.39
JTMS/SWDIO_F103: J2.5 U1.34
JTMS_F407: U1.25 U1.27 U8.72
LRCK: U6.40 U8.90
MCLK: U6.37 U8.29
MDC: U2.12 U8.16
MDIO: R10.2 U2.11 U8.25
NetC5_2: C5.2 U1.5 X1.2
NetC6_2: C6.2 U1.6 X1.1
NetC10_2: C10.2 U2.2
NetC11_2: C11.2 C12.2 C13.2 C14.2 FB1.2 U2.3
NetC15_2: C15.2 U2.8 Y1.2
NetC20_2: C20.2 U2.9 Y1.1
NetC21_2: C21.2 J3.9 J3.10 R12.2
NetC22_1: C22.1 U3.3
NetC22_2: C22.2 U3.4
NetC23_1: C23.1 U3.2
NetC26_2: C26.2 R13.2 U3.7
NetC30_2: C30.2 FB2.2 U5.12
NetC32_1: C32.1 C33.2 R29.1 U5.10
NetC32_2: C32.2 C34.2 R28.1 U5.11
NetC35_1: C35.1 R31.2
NetC36_2: C36.2 C40.2 C41.2 FB3.2 U6.13 U6.16
NetC39_1: C39.1 R30.2
NetC42_1: C42.1 U6.11
NetC42_2: C42.2 U6.12
NetC43_2: C43.2 U6.10
NetC48_1: C48.1 U6.27
NetC49_1: C49.1 U6.28
NetC50_1: C50.1 U6.18
NetC51_1: C51.1 U6.19
NetC56_1: C56.1 U8.12 X2.2
NetC58_1: C58.1 U8.13 X2.1
NetC65_2: C65.2 U8.73
NetC66_2: C66.2 U8.49
NetC67_2: C67.2 C68.2 C69.2 C70.2 FB4.2 U8.21 U8.22
NetC72_1: C72.1 U9.3
NetC72_2: C72.2 U9.4
NetC73_1: C73.1 U9.2
NetC76_2: C76.2 R37.2 U9.7
NetC84_2: C84.2 C85.2 C86.2 D5.K U10.3
NetC90_2: C90.2 C91.2 C92.2 D7.K U11.3
NetDS1_K: DS1.K R6.2
NetDS2_K: DS2.K R7.2
NetJ7_2: J7.2 R31.1 U6.15
NetJ7_3: J7.3 R30.1 U6.14
NetR1_2: R1.2 U1.44
NetR4_2: R4.2 U1.20
NetR9_1: R9.1 U2.1
NetR11_2: R11.2 U2.10
NetR13_1: R13.1 R14.2 U3.6
NetR20_2: R20.2 U3.12
NetR21_2: R21.2 U3.13
NetR33_1: R33.1 U7.2
NetR34_2: R34.2 U8.37
NetR36_1: R36.1 U8.94
NetR37_1: R37.1 R38.2 U9.6
NetR44_2: R44.2 U9.12
NetR45_2: R45.2 U9.13
nFAULT: R24.1 U3.9 U8.62
nFAULT_2: R47.1 U8.59 U9.9
NRST: R2.1 SW1.2 U1.7
NTJRST_F103: J2.1 U1.40
NTRST_F407: C57.2 R35.1 SW3.2 U1.26 U8.14
OUTA+: J12.1 U6.4
OUTA-: J12.2 U6.6
OUTB+: J12.3 U6.7
OUTB-: J12.4 U6.9
PH: U3.15 U8.63
PH_2: U8.60 U9.15
PHY_RESET: R5.1 SW2.2 U2.32 U8.64
RD_N: D4.K J3.6 U2.4
RD_P: D3.K J3.5 U2.5
RESET: R27.1 U5.3 U8.55
RESET_DAC: R32.1 U6.32 U8.54
RX_CLK: U2.19 U8.24
RX_D0: U2.16 U8.33
RX_D1: U2.15 U8.34